# Altium PCB Slave.PcbDoc (part 3 of 10)
Units mm, origin at the board's own origin, x right, y up, seen from the top; angles counter-clockwise.
Board outline 380 x 63 mm, 4 copper layers (Top Copper, Signal Layer 1, Signal Layer 2, Bottom Copper), stack 1.586 mm thick; 259 components, 195 nets, 816 pads, 23336 vias.
Unrouted connection lines stored in the file: 47.
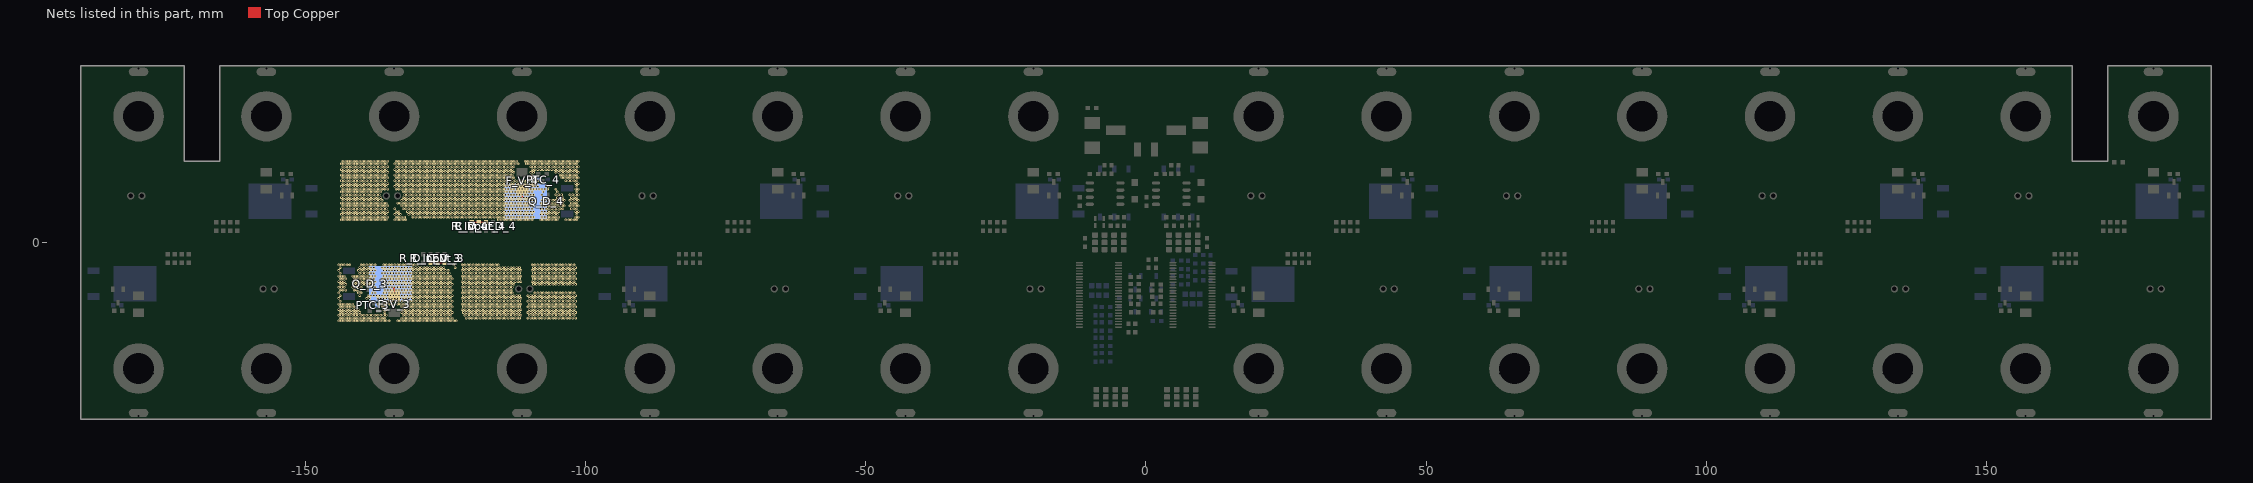
[diagram p5: the nets of this part, all layers, seen from the top]

## Via types
v1: diameter 0.45, hole 0.2, Top Copper to Bottom Copper, tented both sides, 23076 vias
v2: diameter 0.45, hole 0.2, Top Copper to Bottom Copper, 250 vias
v3: diameter 1.2, hole 0.8, Top Copper to Bottom Copper, 10 vias

## Nets (pads, with @x,y where several pads share a name; then routed paths per layer and width w, separated by ;. In a path a pad name is that pad's centre, name@x,y a point inside that pad or via, vN(x,y) a via of type N, cw(c..) or ccw(c..) an arc to the next point about the centre after c; other vN are vias at no path point) (continued)
F_3: C_V_3.2 F_V_3.2 PTC_3.2 Q_D_3.2 R_D_LED_3.2 R_Input_3.1 | length 3.9
  Top Copper w0.254: R_D_LED_3.2@-127.65,-3.6 R_Input_3.1@-126.4,-3.6 C_V_3.2@-125.15,-3.6
  Top Copper w0.305: F_V_3.2@-134.125,-9.48 v1@-134.125,-8.1
  other v1: -144,-14 -143.5,-14 -143,-14 -142.5,-14 -142,-14 -141.5,-14 -141,-14 -140.5,-14 -140,-14 -139.5,-14 -139,-14 -138.5,-14 -138,-14 -137.5,-14 -137,-14 -136.5,-14 -136,-14 -135.5,-14 -135,-14 -133.5,-14 -133,-14 -132.5,-14 -132,-14 -131.5,-14 -131,-14 -130.5,-14 -130,-14 -129.5,-14 -129,-14 -128.5,-14 -128,-14 -127.5,-14 -127,-14 -126.5,-14 -126,-14 -125.5,-14 -125,-14 -124.5,-14 -124,-14 -123.5,-14 -123,-14 -143.75,-13.5 -143.25,-13.5 -142.75,-13.5 -142.25,-13.5 -141.75,-13.5 -141.25,-13.5 -140.75,-13.5 -140.25,-13.5 -139.75,-13.5 -139.25,-13.5 -138.75,-13.5 -138.25,-13.5 -137.75,-13.5 -137.25,-13.5 -136.75,-13.5 -136.25,-13.5 -135.75,-13.5 -132.75,-13.5 -132.25,-13.5 -131.75,-13.5 -131.25,-13.5 -130.75,-13.5 -130.25,-13.5 -129.75,-13.5 -129.25,-13.5 -128.75,-13.5 -128.25,-13.5 -127.75,-13.5 -127.25,-13.5 -126.75,-13.5 -126.25,-13.5 -125.75,-13.5 -125.25,-13.5 -124.75,-13.5 -124.25,-13.5 -123.75,-13.5 -121.25,-13.5 -120.75,-13.5 -120.25,-13.5 -119.75,-13.5 -119.25,-13.5 -118.75,-13.5 -118.25,-13.5 -117.75,-13.5 -117.25,-13.5 -116.75,-13.5 -116.25,-13.5 -115.75,-13.5 -115.25,-13.5 -114.75,-13.5 -114.25,-13.5 -113.75,-13.5 -113.25,-13.5 -112.75,-13.5 -112.25,-13.5 -111.75,-13.5 -110.25,-13.5 -109.75,-13.5 -109.25,-13.5 -108.75,-13.5 -108.25,-13.5 -107.75,-13.5 -107.25,-13.5 -106.75,-13.5 -106.25,-13.5 -105.75,-13.5 -105.25,-13.5 -104.75,-13.5 -104.25,-13.5 -103.75,-13.5 -103.25,-13.5 -102.75,-13.5 -102.25,-13.5 -101.75,-13.5 -144,-13 -143.5,-13 -143,-13 -142.5,-13 -142,-13 -141.5,-13 -141,-13 -140.5,-13 -140,-13 -139.5,-13 -139,-13 -138.5,-13 -138,-13 -137.5,-13 -137,-13 -136.5,-13 -136,-13 -135.5,-13 -132.5,-13 -132,-13 -131.5,-13 -131,-13 -130.5,-13 -130,-13 -129.5,-13 -129,-13 -128.5,-13 -128,-13 -127.5,-13 -127,-13 -126.5,-13 -126,-13 -125.5,-13 -125,-13 -124.5,-13 -124,-13 -121.5,-13 -121,-13 -120.5,-13 -120,-13 -119.5,-13 -119,-13 -118.5,-13 -118,-13 -117.5,-13 -117,-13 -116.5,-13 -116,-13 -115.5,-13 -115,-13 -114.5,-13 -114,-13 -113.5,-13 -113,-13 -112.5,-13 -112,-13 -111.5,-13 -110,-13 -109.5,-13 -109,-13 -108.5,-13 -108,-13 -107.5,-13 -107,-13 -106.5,-13 -106,-13 -105.5,-13 -105,-13 -104.5,-13 -104,-13 -103.5,-13 -103,-13 -102.5,-13 -102,-13 -143.75,-12.5 -143.25,-12.5 -142.75,-12.5 -142.25,-12.5 -141.75,-12.5 -141.25,-12.5 -140.75,-12.5 -140.25,-12.5 -135.75,-12.5 -132.75,-12.5 -132.25,-12.5 -131.75,-12.5 -131.25,-12.5 -130.75,-12.5 -130.25,-12.5 -129.75,-12.5 -129.25,-12.5 -128.75,-12.5 -128.25,-12.5 -127.75,-12.5 -127.25,-12.5 -126.75,-12.5 -126.25,-12.5 -125.75,-12.5 -125.25,-12.5 -124.75,-12.5 -124.25,-12.5 -123.75,-12.5 -121.75,-12.5 -121.25,-12.5 -120.75,-12.5 -120.25,-12.5 -119.75,-12.5 -119.25,-12.5 -118.75,-12.5 -118.25,-12.5 -117.75,-12.5 -117.25,-12.5 -116.75,-12.5 -116.25,-12.5 -115.75,-12.5 -115.25,-12.5 -114.75,-12.5 -114.25,-12.5 -113.75,-12.5 -113.25,-12.5 -112.75,-12.5 -112.25,-12.5 -111.75,-12.5 -110.25,-12.5 -109.75,-12.5 -109.25,-12.5 -108.75,-12.5 -108.25,-12.5 -107.75,-12.5 -107.25,-12.5 -106.75,-12.5 -106.25,-12.5 -105.75,-12.5 -105.25,-12.5 -104.75,-12.5 -104.25,-12.5 -103.75,-12.5 -103.25,-12.5 -102.75,-12.5 -102.25,-12.5 -101.75,-12.5 -144,-12 -143.5,-12 -143,-12 -142.5,-12 -142,-12 -141.5,-12 -141,-12 -140.5,-12 -136,-12 -135.5,-12 -132.5,-12 -132,-12 -131.5,-12 -131,-12 -130.5,-12 -130,-12 -129.5,-12 -129,-12 -128.5,-12 -128,-12 -127.5,-12 -127,-12 -126.5,-12 -126,-12 -125.5,-12 -125,-12 -124.5,-12 -124,-12 -122,-12 -121.5,-12 -121,-12 -120.5,-12 -120,-12 -119.5,-12 -119,-12 -118.5,-12 -118,-12 -117.5,-12 -117,-12 -116.5,-12 -116,-12 -115.5,-12 -115,-12 -114.5,-12 -114,-12 -113.5,-12 -113,-12 -112.5,-12 -112,-12 -111.5,-12 -110,-12 -109.5,-12 -109,-12 -108.5,-12 -108,-12 -107.5,-12 -107,-12 -106.5,-12 -106,-12 -105.5,-12 -105,-12 -104.5,-12 -104,-12 -103.5,-12 -103,-12 -102.5,-12 -102,-12 -143.75,-11.5 -143.25,-11.5 -142.75,-11.5 -142.25,-11.5 -141.75,-11.5 -141.25,-11.5 -136.25,-11.5 -135.75,-11.5 -132.75,-11.5 -132.25,-11.5 -131.75,-11.5 -131.25,-11.5 -130.75,-11.5 -130.25,-11.5 -129.75,-11.5 -129.25,-11.5 -128.75,-11.5 -128.25,-11.5 -127.75,-11.5 -127.25,-11.5 -126.75,-11.5 -126.25,-11.5 -125.75,-11.5 -125.25,-11.5 -124.75,-11.5 -124.25,-11.5 -123.75,-11.5 -121.75,-11.5 -121.25,-11.5 -120.75,-11.5 -120.25,-11.5 -119.75,-11.5 -119.25,-11.5 -118.75,-11.5 -118.25,-11.5 -117.75,-11.5 -117.25,-11.5 -116.75,-11.5 -116.25,-11.5 -115.75,-11.5 -115.25,-11.5 -114.75,-11.5 -114.25,-11.5 -113.75,-11.5 -113.25,-11.5 -112.75,-11.5 -112.25,-11.5 -111.75,-11.5 -110.25,-11.5 -109.75,-11.5 -109.25,-11.5 -108.75,-11.5 -108.25,-11.5 -107.75,-11.5 -107.25,-11.5 -106.75,-11.5 -106.25,-11.5 -105.75,-11.5 -105.25,-11.5 -104.75,-11.5 -104.25,-11.5 -103.75,-11.5 -103.25,-11.5 -102.75,-11.5 -102.25,-11.5 -101.75,-11.5 -144,-11 -143.5,-11 -143,-11 -142.5,-11 -142,-11 -141.5,-11 -137,-11 -136.5,-11 -136,-11 -135.5,-11 -135,-11 -134.5,-11 -134,-11 -133.5,-11 -133,-11 -132.5,-11 -132,-11 -131.5,-11 -131,-11 -130.5,-11 -130,-11 -129.5,-11 -129,-11 -128.5,-11 -128,-11 -127.5,-11 -127,-11 -126.5,-11 -126,-11 -125.5,-11 -125,-11 -124.5,-11 -124,-11 -122,-11 -121.5,-11 -121,-11 -120.5,-11 -120,-11 -119.5,-11 -119,-11 -118.5,-11 -118,-11 -117.5,-11 -117,-11 -116.5,-11 -116,-11 -115.5,-11 -115,-11 -114.5,-11 -114,-11 -113.5,-11 -113,-11 -112.5,-11 -112,-11 -111.5,-11 -110,-11 -109.5,-11 -109,-11 -108.5,-11 -108,-11 -107.5,-11 -107,-11 -106.5,-11 -106,-11 -105.5,-11 -105,-11 -104.5,-11 -104,-11 -103.5,-11 -103,-11 -102.5,-11 -102,-11 -143.75,-10.5 -136.75,-10.5 -136.25,-10.5 -135.75,-10.5 -135.25,-10.5 -134.75,-10.5 -134.25,-10.5 -133.75,-10.5 -133.25,-10.5 -132.75,-10.5 -132.25,-10.5 -131.75,-10.5 -131.25,-10.5 -130.75,-10.5 -130.25,-10.5 -129.75,-10.5 -129.25,-10.5 -128.75,-10.5 -128.25,-10.5 -127.75,-10.5 -127.25,-10.5 -126.75,-10.5 -126.25,-10.5 -125.75,-10.5 -125.25,-10.5 -124.75,-10.5 -124.25,-10.5 -123.75,-10.5 -121.75,-10.5 -121.25,-10.5 -120.75,-10.5 -120.25,-10.5 -119.75,-10.5 -119.25,-10.5 -118.75,-10.5 -118.25,-10.5 -117.75,-10.5 -117.25,-10.5 -116.75,-10.5 -116.25,-10.5 -115.75,-10.5 -115.25,-10.5 -114.75,-10.5 -114.25,-10.5 -113.75,-10.5 -113.25,-10.5 -112.75,-10.5 -112.25,-10.5 -111.75,-10.5 -110.25,-10.5 -109.75,-10.5 -109.25,-10.5 -108.75,-10.5 -108.25,-10.5 -107.75,-10.5 -107.25,-10.5 -106.75,-10.5 -106.25,-10.5 -105.75,-10.5 -105.25,-10.5 -104.75,-10.5 -104.25,-10.5 -103.75,-10.5 -103.25,-10.5 -102.75,-10.5 -102.25,-10.5 -101.75,-10.5 -144,-10 -139,-10 -138.5,-10 -137,-10 -136.5,-10 -136,-10 -135.5,-10 -135,-10 -134.5,-10 -134,-10 -133.5,-10 -133,-10 -132.5,-10 -132,-10 -131.5,-10 -131,-10 -130.5,-10 -130,-10 -129.5,-10 -129,-10 -128.5,-10 -128,-10 -127.5,-10 -127,-10 -126.5,-10 -126,-10 -125.5,-10 -125,-10 -124.5,-10 -124,-10 -122,-10 -121.5,-10 -121,-10 -120.5,-10 -120,-10 -119.5,-10 -119,-10 -118.5,-10 -118,-10 -117.5,-10 -117,-10 -116.5,-10 -116,-10 -115.5,-10 -115,-10 -114.5,-10 -114,-10 -113.5,-10 -113,-10 -112.5,-10 -112,-10 -111.5,-10 -110,-10 -109.5,-10 -109,-10 -108.5,-10 -108,-10 -107.5,-10 -107,-10 -106.5,-10 -106,-10 -105.5,-10 -105,-10 -104.5,-10 -104,-10 -103.5,-10 -103,-10 -102.5,-10 -102,-10 -143.75,-9.5 -140.25,-9.5 -138.75,-9.5 -138.25,-9.5 -137.75,-9.5 -137.25,-9.5 -136.75,-9.5 -136.25,-9.5 -135.75,-9.5 -135.25,-9.5 -134.75,-9.5 -134.25,-9.5 -133.75,-9.5 -133.25,-9.5 -132.75,-9.5 -132.25,-9.5 -131.75,-9.5 -131.25,-9.5 -130.75,-9.5 -130.25,-9.5 -129.75,-9.5 -129.25,-9.5 -128.75,-9.5 -128.25,-9.5 -127.75,-9.5 -127.25,-9.5 -126.75,-9.5 -126.25,-9.5 -125.75,-9.5 -125.25,-9.5 -124.75,-9.5 -124.25,-9.5 -123.75,-9.5 -121.75,-9.5 -121.25,-9.5 -120.75,-9.5 -120.25,-9.5 -119.75,-9.5 -119.25,-9.5 -118.75,-9.5 -118.25,-9.5 -117.75,-9.5 -117.25,-9.5 -116.75,-9.5 -116.25,-9.5 -115.75,-9.5 -115.25,-9.5 -114.75,-9.5 -114.25,-9.5 -113.75,-9.5 -113.25,-9.5 -112.75,-9.5 -112.25,-9.5 -111.75,-9.5 -110.25,-9.5 -109.75,-9.5 -109.25,-9.5 -108.75,-9.5 -108.25,-9.5 -107.75,-9.5 -107.25,-9.5 -106.75,-9.5 -106.25,-9.5 -105.75,-9.5 -105.25,-9.5 -104.75,-9.5 -104.25,-9.5 -103.75,-9.5 -103.25,-9.5 -102.75,-9.5 -102.25,-9.5 -101.75,-9.5 -144,-9 -140.5,-9 -140,-9 -138,-9 -137.5,-9 -136,-9 -135.5,-9 -135,-9 -134.5,-9 -134,-9 -133.5,-9 -133,-9 -132.5,-9 -132,-9 -131.5,-9 -131,-9 -130.5,-9 -130,-9 -129.5,-9 -129,-9 -128.5,-9 -128,-9 -127.5,-9 -127,-9 -126.5,-9 -126,-9 -125.5,-9 -125,-9 -124.5,-9 -124,-9 -122,-9 -121.5,-9 -121,-9 -120.5,-9 -120,-9 -119.5,-9 -119,-9 -118.5,-9 -118,-9 -117.5,-9 -117,-9 -116.5,-9 -116,-9 -115.5,-9 -115,-9 -114.5,-9 -114,-9 -113.5,-9 -113,-9 -109,-9 -108.5,-9 -108,-9 -107.5,-9 -107,-9 -106.5,-9 -106,-9 -105.5,-9 -105,-9 -104.5,-9 -104,-9 -103.5,-9 -103,-9 -102.5,-9 -102,-9 -143.75,-8.5 -143.25,-8.5 -142.75,-8.5 -141.25,-8.5 -140.75,-8.5 -140.25,-8.5 -137.75,-8.5 -135.75,-8.5 -135.25,-8.5 -134.75,-8.5 -134.25,-8.5 -133.75,-8.5 -133.25,-8.5 -132.75,-8.5 -132.25,-8.5 -131.75,-8.5 -131.25,-8.5 -130.75,-8.5 -130.25,-8.5 -129.75,-8.5 -129.25,-8.5 -128.75,-8.5 -128.25,-8.5 -127.75,-8.5 -127.25,-8.5 -126.75,-8.5 -126.25,-8.5 -125.75,-8.5 -125.25,-8.5 -124.75,-8.5 -124.25,-8.5 -123.75,-8.5 -121.75,-8.5 -121.25,-8.5 -120.75,-8.5 -120.25,-8.5 -119.75,-8.5 -119.25,-8.5 -118.75,-8.5 -118.25,-8.5 -117.75,-8.5 -117.25,-8.5 -116.75,-8.5 -116.25,-8.5 -115.75,-8.5 -115.25,-8.5 -114.75,-8.5 -114.25,-8.5 -113.75,-8.5 -113.25,-8.5 -144,-8 -143.5,-8 -143,-8 -141.5,-8 -141,-8 -140.5,-8 -140,-8 -138,-8 -137.5,-8 -136,-8 -135.5,-8 -135,-8 -134.5,-8 -134,-8 -133.5,-8 -133,-8 -132.5,-8 -132,-8 -131.5,-8 -131,-8 -130.5,-8 -130,-8 -129.5,-8 -129,-8 -128.5,-8 -128,-8 -127.5,-8 -127,-8 -126.5,-8 -126,-8 -125.5,-8 -125,-8 -124.5,-8 -124,-8 -122,-8 -121.5,-8 -121,-8 -120.5,-8 -120,-8 -119.5,-8 -119,-8 -118.5,-8 -118,-8 -117.5,-8 -117,-8 -116.5,-8 -116,-8 -115.5,-8 -115,-8 -114.5,-8 -114,-8 -113.5,-8 -113,-8 -143.75,-7.5 -143.25,-7.5 -142.75,-7.5 -141.25,-7.5 -140.75,-7.5 -140.25,-7.5 -139.75,-7.5 -139.25,-7.5 -138.75,-7.5 -138.25,-7.5 -137.75,-7.5 -136.25,-7.5 -135.75,-7.5 -135.25,-7.5 -134.75,-7.5 -134.25,-7.5 -133.75,-7.5 -133.25,-7.5 -132.75,-7.5 -132.25,-7.5 -131.75,-7.5 -131.25,-7.5 -130.75,-7.5 -130.25,-7.5 -129.75,-7.5 -129.25,-7.5 -128.75,-7.5 -128.25,-7.5 -127.75,-7.5 -127.25,-7.5 -126.75,-7.5 -126.25,-7.5 -125.75,-7.5 -125.25,-7.5 -124.75,-7.5 -124.25,-7.5 -123.75,-7.5 -121.75,-7.5 -121.25,-7.5 -120.75,-7.5 -120.25,-7.5 -119.75,-7.5 -119.25,-7.5 -118.75,-7.5 -118.25,-7.5 -117.75,-7.5 -117.25,-7.5 -116.75,-7.5 -116.25,-7.5 -115.75,-7.5 -115.25,-7.5 -114.75,-7.5 -114.25,-7.5 -113.75,-7.5 -113.25,-7.5 -112.75,-7.5 -109.25,-7.5 -108.75,-7.5 -108.25,-7.5 -107.75,-7.5 -107.25,-7.5 -106.75,-7.5 -106.25,-7.5 -105.75,-7.5 -105.25,-7.5 -104.75,-7.5 -104.25,-7.5 -103.75,-7.5 -103.25,-7.5 -102.75,-7.5 -102.25,-7.5 -101.75,-7.5 -144,-7 -143.5,-7 -143,-7 -141.5,-7 -141,-7 -140.5,-7 -140,-7 -139.5,-7 -139,-7 -138.5,-7 -138,-7 -137.5,-7 -136,-7 -135.5,-7 -135,-7 -134.5,-7 -134,-7 -133.5,-7 -133,-7 -132.5,-7 -132,-7 -131.5,-7 -131,-7 -130.5,-7 -130,-7 -129.5,-7 -129,-7 -128.5,-7 -128,-7 -127.5,-7 -127,-7 -126.5,-7 -126,-7 -125.5,-7 -125,-7 -124.5,-7 -124,-7 -122,-7 -121.5,-7 -121,-7 -120.5,-7 -120,-7 -119.5,-7 -119,-7 -118.5,-7 -118,-7 -117.5,-7 -117,-7 -116.5,-7 -116,-7 -115.5,-7 -115,-7 -114.5,-7 -114,-7 -113.5,-7 -113,-7 -112.5,-7 -112,-7 -111.5,-7 -109.5,-7 -109,-7 -108.5,-7 -108,-7 -107.5,-7 -107,-7 -106.5,-7 -106,-7 -105.5,-7 -105,-7 -104.5,-7 -104,-7 -103.5,-7 -103,-7 -102.5,-7 -102,-7 -143.75,-6.5 -143.25,-6.5 -142.75,-6.5 -141.25,-6.5 -140.75,-6.5 -140.25,-6.5 -139.75,-6.5 -139.25,-6.5 -138.75,-6.5 -138.25,-6.5 -137.75,-6.5 -136.25,-6.5 -135.75,-6.5 -135.25,-6.5 -134.75,-6.5 -134.25,-6.5 -133.75,-6.5 -133.25,-6.5 -132.75,-6.5 -132.25,-6.5 -131.75,-6.5 -131.25,-6.5 -130.75,-6.5 -130.25,-6.5 -129.75,-6.5 -129.25,-6.5 -128.75,-6.5 -128.25,-6.5 -127.75,-6.5 -127.25,-6.5 -126.75,-6.5 -126.25,-6.5 -125.75,-6.5 -125.25,-6.5 -124.75,-6.5 -124.25,-6.5 -123.75,-6.5 -121.75,-6.5 -121.25,-6.5 -120.75,-6.5 -120.25,-6.5 -119.75,-6.5 -119.25,-6.5 -118.75,-6.5 -118.25,-6.5 -117.75,-6.5 -117.25,-6.5 -116.75,-6.5 -116.25,-6.5 -115.75,-6.5 -115.25,-6.5 -114.75,-6.5 -114.25,-6.5 -113.75,-6.5 -113.25,-6.5 -112.75,-6.5 -112.25,-6.5 -111.75,-6.5 -109.25,-6.5 -108.75,-6.5 -108.25,-6.5 -107.75,-6.5 -107.25,-6.5 -106.75,-6.5 -106.25,-6.5 -105.75,-6.5 -105.25,-6.5 -104.75,-6.5 -104.25,-6.5 -103.75,-6.5 -103.25,-6.5 -102.75,-6.5 -102.25,-6.5 -101.75,-6.5 -144,-6 -143.5,-6 -143,-6 -141.5,-6 -141,-6 -140.5,-6 -140,-6 -139.5,-6 -139,-6 -138.5,-6 -138,-6 -137.5,-6 -136,-6 -135.5,-6 -135,-6 -134.5,-6 -134,-6 -133.5,-6 -133,-6 -132.5,-6 -132,-6 -131.5,-6 -131,-6 -130.5,-6 -130,-6 -129.5,-6 -129,-6 -128.5,-6 -128,-6 -127.5,-6 -127,-6 -126.5,-6 -126,-6 -125.5,-6 -125,-6 -124.5,-6 -124,-6 -122,-6 -121.5,-6 -121,-6 -120.5,-6 -120,-6 -119.5,-6 -119,-6 -118.5,-6 -118,-6 -117.5,-6 -117,-6 -116.5,-6 -116,-6 -115.5,-6 -115,-6 -114.5,-6 -114,-6 -113.5,-6 -113,-6 -112.5,-6 -112,-6 -111.5,-6 -109.5,-6 -109,-6 -108.5,-6 -108,-6 -107.5,-6 -107,-6 -106.5,-6 -106,-6 -105.5,-6 -105,-6 -104.5,-6 -104,-6 -103.5,-6 -103,-6 -102.5,-6 -102,-6 -143.75,-5.5 -140.25,-5.5 -139.75,-5.5 -139.25,-5.5 -138.75,-5.5 -138.25,-5.5 -137.75,-5.5 -136.25,-5.5 -135.75,-5.5 -135.25,-5.5 -134.75,-5.5 -134.25,-5.5 -133.75,-5.5 -133.25,-5.5 -132.75,-5.5 -132.25,-5.5 -131.75,-5.5 -131.25,-5.5 -130.75,-5.5 -130.25,-5.5 -129.75,-5.5 -129.25,-5.5 -128.75,-5.5 -128.25,-5.5 -127.75,-5.5 -127.25,-5.5 -126.75,-5.5 -126.25,-5.5 -125.75,-5.5 -125.25,-5.5 -124.75,-5.5 -124.25,-5.5 -121.75,-5.5 -121.25,-5.5 -120.75,-5.5 -120.25,-5.5 -119.75,-5.5 -119.25,-5.5 -118.75,-5.5 -118.25,-5.5 -117.75,-5.5 -117.25,-5.5 -116.75,-5.5 -116.25,-5.5 -115.75,-5.5 -115.25,-5.5 -114.75,-5.5 -114.25,-5.5 -113.75,-5.5 -113.25,-5.5 -112.75,-5.5 -112.25,-5.5 -111.75,-5.5 -109.25,-5.5 -108.75,-5.5 -108.25,-5.5 -107.75,-5.5 -107.25,-5.5 -106.75,-5.5 -106.25,-5.5 -105.75,-5.5 -105.25,-5.5 -104.75,-5.5 -104.25,-5.5 -103.75,-5.5 -103.25,-5.5 -102.75,-5.5 -102.25,-5.5 -101.75,-5.5 -144,-5 -140.5,-5 -140,-5 -139.5,-5 -139,-5 -138.5,-5 -138,-5 -137.5,-5 -136,-5 -135.5,-5 -135,-5 -134.5,-5 -134,-5 -133.5,-5 -133,-5 -132.5,-5 -132,-5 -131.5,-5 -131,-5 -130.5,-5 -130,-5 -129.5,-5 -129,-5 -128.5,-5 -128,-5 -127.5,-5 -127,-5 -126.5,-5 -126,-5 -125.5,-5 -125,-5 -124.5,-5 -122,-5 -121.5,-5 -121,-5 -120.5,-5 -120,-5 -119.5,-5 -119,-5 -118.5,-5 -118,-5 -117.5,-5 -117,-5 -116.5,-5 -116,-5 -115.5,-5 -115,-5 -114.5,-5 -114,-5 -113.5,-5 -113,-5 -112.5,-5 -112,-5 -111.5,-5 -109.5,-5 -109,-5 -108.5,-5 -108,-5 -107.5,-5 -107,-5 -106.5,-5 -106,-5 -105.5,-5 -105,-5 -104.5,-5 -104,-5 -103.5,-5 -103,-5 -102.5,-5 -102,-5 -143.75,-4.5 -140.25,-4.5 -139.75,-4.5 -139.25,-4.5 -138.75,-4.5 -138.25,-4.5 -137.75,-4.5 -136.25,-4.5 -135.75,-4.5 -135.25,-4.5 -134.75,-4.5 -134.25,-4.5 -133.75,-4.5 -133.25,-4.5 -132.75,-4.5 -132.25,-4.5 -131.75,-4.5 -131.25,-4.5 -130.75,-4.5 -130.25,-4.5 -129.75,-4.5 -129.25,-4.5 -128.75,-4.5 -128.25,-4.5 -127.75,-4.5 -127.25,-4.5 -126.75,-4.5 -126.25,-4.5 -125.75,-4.5 -125.25,-4.5 -123.25,-4.5 -121.75,-4.5 -121.25,-4.5 -120.75,-4.5 -120.25,-4.5 -119.75,-4.5 -119.25,-4.5 -118.75,-4.5 -118.25,-4.5 -117.75,-4.5 -117.25,-4.5 -116.75,-4.5 -116.25,-4.5 -115.75,-4.5 -115.25,-4.5 -114.75,-4.5 -114.25,-4.5 -113.75,-4.5 -113.25,-4.5 -112.75,-4.5 -112.25,-4.5 -111.75,-4.5 -109.25,-4.5 -108.75,-4.5 -108.25,-4.5 -107.75,-4.5 -107.25,-4.5 -106.75,-4.5 -106.25,-4.5 -105.75,-4.5 -105.25,-4.5 -104.75,-4.5 -104.25,-4.5 -103.75,-4.5 -103.25,-4.5 -102.75,-4.5 -102.25,-4.5 -101.75,-4.5 -144,-4 -143.5,-4 -143,-4 -142.5,-4 -142,-4 -140,-4 -139.5,-4 -139,-4 -138.5,-4 -138,-4 -137.5,-4 -136,-4 -135.5,-4 -135,-4 -134.5,-4 -134,-4 -133.5,-4 -133,-4 -132.5,-4 -132,-4 -131.5,-4 -131,-4 -130.5,-4 -130,-4 -123.5,-4 -122,-4 -121.5,-4 -121,-4 -120.5,-4 -120,-4 -119.5,-4 -119,-4 -118.5,-4 -118,-4 -117.5,-4 -117,-4 -116.5,-4 -116,-4 -115.5,-4 -109.5,-4 -109,-4 -108.5,-4 -108,-4 -107.5,-4 -107,-4 -106.5,-4 -106,-4 -105.5,-4 -105,-4 -104.5,-4 -104,-4 -103.5,-4 -103,-4 -102.5,-4 -102,-4
F_4: C_V_4.2 F_V_4.2 PTC_4.2 Q_D_4.2 R_D_LED_4.2 R_Input_4.1 | length 3.9
  Top Copper w0.254: C_V_4.2@-120.25,3.6 R_Input_4.1@-119,3.6 R_D_LED_4.2@-117.75,3.6
  Top Copper w0.305: -111.275,8.1 F_V_4.2@-111.275,9.48
  other v1: -143.5,4 -143,4 -142.5,4 -142,4 -141.5,4 -141,4 -140.5,4 -140,4 -139.5,4 -139,4 -138.5,4 -138,4 -137.5,4 -137,4 -136.5,4 -136,4 -135.5,4 -134,4 -133.5,4 -133,4 -132.5,4 -132,4 -115.5,4 -115,4 -114.5,4 -114,4 -113.5,4 -113,4 -112.5,4 -112,4 -111.5,4 -111,4 -110.5,4 -110,4 -109.5,4 -108,4 -107.5,4 -107,4 -106.5,4 -106,4 -105.5,4 -105,4 -103.5,4 -103,4 -102.5,4 -102,4 -101.5,4 -143.25,4.5 -142.75,4.5 -142.25,4.5 -141.75,4.5 -141.25,4.5 -140.75,4.5 -140.25,4.5 -139.75,4.5 -139.25,4.5 -138.75,4.5 -138.25,4.5 -137.75,4.5 -137.25,4.5 -136.75,4.5 -136.25,4.5 -135.75,4.5 -135.25,4.5 -133.75,4.5 -133.25,4.5 -132.75,4.5 -132.25,4.5 -130.75,4.5 -130.25,4.5 -129.75,4.5 -129.25,4.5 -128.75,4.5 -128.25,4.5 -127.75,4.5 -127.25,4.5 -126.75,4.5 -126.25,4.5 -125.75,4.5 -125.25,4.5 -124.75,4.5 -124.25,4.5 -123.75,4.5 -123.25,4.5 -122.75,4.5 -122.25,4.5 -121.75,4.5 -121.25,4.5 -120.75,4.5 -120.25,4.5 -119.75,4.5 -119.25,4.5 -118.75,4.5 -118.25,4.5 -117.75,4.5 -117.25,4.5 -116.75,4.5 -116.25,4.5 -115.75,4.5 -115.25,4.5 -114.75,4.5 -114.25,4.5 -113.75,4.5 -113.25,4.5 -112.75,4.5 -112.25,4.5 -111.75,4.5 -111.25,4.5 -110.75,4.5 -110.25,4.5 -109.75,4.5 -109.25,4.5 -107.75,4.5 -107.25,4.5 -106.75,4.5 -106.25,4.5 -105.75,4.5 -105.25,4.5 -104.75,4.5 -101.75,4.5 -101.25,4.5 -143.5,5 -143,5 -142.5,5 -142,5 -141.5,5 -141,5 -140.5,5 -140,5 -139.5,5 -139,5 -138.5,5 -138,5 -137.5,5 -137,5 -136.5,5 -136,5 -135.5,5 -134,5 -133.5,5 -133,5 -131.5,5 -131,5 -130.5,5 -130,5 -129.5,5 -129,5 -128.5,5 -128,5 -127.5,5 -127,5 -126.5,5 -126,5 -125.5,5 -125,5 -124.5,5 -124,5 -123.5,5 -123,5 -122.5,5 -122,5 -121.5,5 -121,5 -120.5,5 -120,5 -119.5,5 -119,5 -118.5,5 -118,5 -117.5,5 -117,5 -116.5,5 -116,5 -115.5,5 -115,5 -114.5,5 -114,5 -113.5,5 -113,5 -112.5,5 -112,5 -111.5,5 -111,5 -110.5,5 -110,5 -109.5,5 -108,5 -107.5,5 -107,5 -106.5,5 -106,5 -105.5,5 -105,5 -101.5,5 -143.25,5.5 -142.75,5.5 -142.25,5.5 -141.75,5.5 -141.25,5.5 -140.75,5.5 -140.25,5.5 -139.75,5.5 -139.25,5.5 -138.75,5.5 -138.25,5.5 -137.75,5.5 -137.25,5.5 -136.75,5.5 -136.25,5.5 -135.75,5.5 -135.25,5.5 -133.75,5.5 -133.25,5.5 -131.75,5.5 -131.25,5.5 -130.75,5.5 -130.25,5.5 -129.75,5.5 -129.25,5.5 -128.75,5.5 -128.25,5.5 -127.75,5.5 -127.25,5.5 -126.75,5.5 -126.25,5.5 -125.75,5.5 -125.25,5.5 -124.75,5.5 -124.25,5.5 -123.75,5.5 -123.25,5.5 -122.75,5.5 -122.25,5.5 -121.75,5.5 -121.25,5.5 -120.75,5.5 -120.25,5.5 -119.75,5.5 -119.25,5.5 -118.75,5.5 -118.25,5.5 -117.75,5.5 -117.25,5.5 -116.75,5.5 -116.25,5.5 -115.75,5.5 -115.25,5.5 -114.75,5.5 -114.25,5.5 -113.75,5.5 -113.25,5.5 -112.75,5.5 -112.25,5.5 -111.75,5.5 -111.25,5.5 -110.75,5.5 -110.25,5.5 -109.75,5.5 -109.25,5.5 -107.75,5.5 -107.25,5.5 -106.75,5.5 -106.25,5.5 -105.75,5.5 -105.25,5.5 -104.75,5.5 -101.75,5.5 -101.25,5.5 -143.5,6 -143,6 -142.5,6 -142,6 -141.5,6 -141,6 -140.5,6 -140,6 -139.5,6 -139,6 -138.5,6 -138,6 -137.5,6 -137,6 -136.5,6 -136,6 -135.5,6 -134,6 -132.5,6 -132,6 -131.5,6 -131,6 -130.5,6 -130,6 -129.5,6 -129,6 -128.5,6 -128,6 -127.5,6 -127,6 -126.5,6 -126,6 -125.5,6 -125,6 -124.5,6 -124,6 -123.5,6 -123,6 -122.5,6 -122,6 -121.5,6 -121,6 -120.5,6 -120,6 -119.5,6 -119,6 -118.5,6 -118,6 -117.5,6 -117,6 -116.5,6 -116,6 -115.5,6 -115,6 -114.5,6 -114,6 -113.5,6 -113,6 -112.5,6 -112,6 -111.5,6 -111,6 -110.5,6 -110,6 -109.5,6 -108,6 -107.5,6 -107,6 -106.5,6 -106,6 -105.5,6 -105,6 -104.5,6 -104,6 -102.5,6 -102,6 -101.5,6 -143.25,6.5 -142.75,6.5 -142.25,6.5 -141.75,6.5 -141.25,6.5 -140.75,6.5 -140.25,6.5 -139.75,6.5 -139.25,6.5 -138.75,6.5 -138.25,6.5 -137.75,6.5 -137.25,6.5 -136.75,6.5 -136.25,6.5 -135.75,6.5 -135.25,6.5 -132.75,6.5 -132.25,6.5 -131.75,6.5 -131.25,6.5 -130.75,6.5 -130.25,6.5 -129.75,6.5 -129.25,6.5 -128.75,6.5 -128.25,6.5 -127.75,6.5 -127.25,6.5 -126.75,6.5 -126.25,6.5 -125.75,6.5 -125.25,6.5 -124.75,6.5 -124.25,6.5 -123.75,6.5 -123.25,6.5 -122.75,6.5 -122.25,6.5 -121.75,6.5 -121.25,6.5 -120.75,6.5 -120.25,6.5 -119.75,6.5 -119.25,6.5 -118.75,6.5 -118.25,6.5 -117.75,6.5 -117.25,6.5 -116.75,6.5 -116.25,6.5 -115.75,6.5 -115.25,6.5 -114.75,6.5 -114.25,6.5 -113.75,6.5 -113.25,6.5 -112.75,6.5 -112.25,6.5 -111.75,6.5 -111.25,6.5 -110.75,6.5 -110.25,6.5 -109.75,6.5 -109.25,6.5 -107.75,6.5 -107.25,6.5 -106.75,6.5 -106.25,6.5 -105.75,6.5 -105.25,6.5 -104.75,6.5 -104.25,6.5 -103.75,6.5 -102.75,6.5 -102.25,6.5 -101.75,6.5 -101.25,6.5 -143.5,7 -143,7 -142.5,7 -142,7 -141.5,7 -141,7 -140.5,7 -140,7 -139.5,7 -139,7 -138.5,7 -138,7 -137.5,7 -137,7 -136.5,7 -136,7 -135.5,7 -133.5,7 -133,7 -132.5,7 -132,7 -131.5,7 -131,7 -130.5,7 -130,7 -129.5,7 -129,7 -128.5,7 -128,7 -127.5,7 -127,7 -126.5,7 -126,7 -125.5,7 -125,7 -124.5,7 -124,7 -123.5,7 -123,7 -122.5,7 -122,7 -121.5,7 -121,7 -120.5,7 -120,7 -119.5,7 -119,7 -118.5,7 -118,7 -117.5,7 -117,7 -116.5,7 -116,7 -115.5,7 -115,7 -114.5,7 -114,7 -113.5,7 -113,7 -112.5,7 -112,7 -111.5,7 -111,7 -110.5,7 -110,7 -109.5,7 -108,7 -107.5,7 -107,7 -106.5,7 -106,7 -105.5,7 -105,7 -104.5,7 -104,7 -102.5,7 -102,7 -101.5,7 -143.25,7.5 -142.75,7.5 -142.25,7.5 -141.75,7.5 -141.25,7.5 -140.75,7.5 -140.25,7.5 -139.75,7.5 -139.25,7.5 -138.75,7.5 -138.25,7.5 -137.75,7.5 -137.25,7.5 -136.75,7.5 -136.25,7.5 -132.75,7.5 -132.25,7.5 -131.75,7.5 -131.25,7.5 -130.75,7.5 -130.25,7.5 -129.75,7.5 -129.25,7.5 -128.75,7.5 -128.25,7.5 -127.75,7.5 -127.25,7.5 -126.75,7.5 -126.25,7.5 -125.75,7.5 -125.25,7.5 -124.75,7.5 -124.25,7.5 -123.75,7.5 -123.25,7.5 -122.75,7.5 -122.25,7.5 -121.75,7.5 -121.25,7.5 -120.75,7.5 -120.25,7.5 -119.75,7.5 -119.25,7.5 -118.75,7.5 -118.25,7.5 -117.75,7.5 -117.25,7.5 -116.75,7.5 -116.25,7.5 -115.75,7.5 -115.25,7.5 -114.75,7.5 -114.25,7.5 -113.75,7.5 -113.25,7.5 -112.75,7.5 -112.25,7.5 -111.75,7.5 -111.25,7.5 -110.75,7.5 -110.25,7.5 -109.75,7.5 -109.25,7.5 -107.75,7.5 -107.25,7.5 -106.75,7.5 -106.25,7.5 -105.75,7.5 -105.25,7.5 -104.75,7.5 -104.25,7.5 -103.75,7.5 -102.75,7.5 -102.25,7.5 -101.75,7.5 -101.25,7.5 -143.5,8 -143,8 -142.5,8 -142,8 -141.5,8 -141,8 -140.5,8 -140,8 -139.5,8 -139,8 -138.5,8 -138,8 -137.5,8 -137,8 -136.5,8 -132.5,8 -132,8 -131.5,8 -131,8 -130.5,8 -130,8 -129.5,8 -129,8 -128.5,8 -128,8 -127.5,8 -127,8 -126.5,8 -126,8 -125.5,8 -125,8 -124.5,8 -124,8 -123.5,8 -123,8 -122.5,8 -122,8 -121.5,8 -121,8 -120.5,8 -120,8 -119.5,8 -119,8 -118.5,8 -118,8 -117.5,8 -117,8 -116.5,8 -116,8 -115.5,8 -115,8 -114.5,8 -114,8 -113.5,8 -113,8 -112.5,8 -112,8 -111.5,8 -111,8 -110.5,8 -110,8 -109.5,8 -107.5,8 -105,8 -104.5,8 -104,8 -102.5,8 -102,8 -101.5,8 -143.25,8.5 -142.75,8.5 -142.25,8.5 -141.75,8.5 -141.25,8.5 -140.75,8.5 -140.25,8.5 -139.75,8.5 -139.25,8.5 -138.75,8.5 -138.25,8.5 -137.75,8.5 -137.25,8.5 -136.75,8.5 -132.25,8.5 -131.75,8.5 -131.25,8.5 -130.75,8.5 -130.25,8.5 -129.75,8.5 -129.25,8.5 -128.75,8.5 -128.25,8.5 -127.75,8.5 -127.25,8.5 -126.75,8.5 -126.25,8.5 -125.75,8.5 -125.25,8.5 -124.75,8.5 -124.25,8.5 -123.75,8.5 -123.25,8.5 -122.75,8.5 -122.25,8.5 -121.75,8.5 -121.25,8.5 -120.75,8.5 -120.25,8.5 -119.75,8.5 -119.25,8.5 -118.75,8.5 -118.25,8.5 -117.75,8.5 -117.25,8.5 -116.75,8.5 -116.25,8.5 -115.75,8.5 -115.25,8.5 -114.75,8.5 -114.25,8.5 -113.75,8.5 -113.25,8.5 -112.75,8.5 -112.25,8.5 -111.75,8.5 -111.25,8.5 -110.75,8.5 -110.25,8.5 -109.75,8.5 -109.25,8.5 -107.75,8.5 -105.25,8.5 -104.75,8.5 -104.25,8.5 -102.75,8.5 -102.25,8.5 -101.75,8.5 -101.25,8.5 -143.5,9 -143,9 -142.5,9 -142,9 -141.5,9 -141,9 -140.5,9 -140,9 -139.5,9 -139,9 -138.5,9 -138,9 -137.5,9 -137,9 -136.5,9 -132.5,9 -132,9 -131.5,9 -131,9 -130.5,9 -130,9 -129.5,9 -129,9 -128.5,9 -128,9 -127.5,9 -127,9 -126.5,9 -126,9 -125.5,9 -125,9 -124.5,9 -124,9 -123.5,9 -123,9 -122.5,9 -122,9 -121.5,9 -121,9 -120.5,9 -120,9 -119.5,9 -119,9 -118.5,9 -118,9 -117.5,9 -117,9 -116.5,9 -116,9 -115.5,9 -115,9 -114.5,9 -114,9 -113.5,9 -113,9 -112.5,9 -112,9 -111.5,9 -111,9 -110.5,9 -110,9 -109.5,9 -107.5,9 -105,9 -101.5,9 -143.25,9.5 -142.75,9.5 -142.25,9.5 -141.75,9.5 -141.25,9.5 -140.75,9.5 -140.25,9.5 -139.75,9.5 -139.25,9.5 -138.75,9.5 -138.25,9.5 -137.75,9.5 -137.25,9.5 -136.75,9.5 -136.25,9.5 -135.75,9.5 -135.25,9.5 -133.75,9.5 -133.25,9.5 -132.75,9.5 -132.25,9.5 -131.75,9.5 -131.25,9.5 -130.75,9.5 -130.25,9.5 -129.75,9.5 -129.25,9.5 -128.75,9.5 -128.25,9.5 -127.75,9.5 -127.25,9.5 -126.75,9.5 -126.25,9.5 -125.75,9.5 -125.25,9.5 -124.75,9.5 -124.25,9.5 -123.75,9.5 -123.25,9.5 -122.75,9.5 -122.25,9.5 -121.75,9.5 -121.25,9.5 -120.75,9.5 -120.25,9.5 -119.75,9.5 -119.25,9.5 -118.75,9.5 -118.25,9.5 -117.75,9.5 -117.25,9.5 -116.75,9.5 -116.25,9.5 -115.75,9.5 -115.25,9.5 -114.75,9.5 -114.25,9.5 -113.75,9.5 -113.25,9.5 -112.75,9.5 -112.25,9.5 -111.75,9.5 -111.25,9.5 -110.75,9.5 -110.25,9.5 -109.75,9.5 -109.25,9.5 -108.75,9.5 -108.25,9.5 -107.75,9.5 -107.25,9.5 -106.75,9.5 -105.25,9.5 -101.75,9.5 -101.25,9.5 -143.5,10 -143,10 -142.5,10 -142,10 -141.5,10 -141,10 -140.5,10 -140,10 -139.5,10 -139,10 -138.5,10 -138,10 -137.5,10 -137,10 -136.5,10 -136,10 -135.5,10 -134,10 -133.5,10 -133,10 -132.5,10 -132,10 -131.5,10 -131,10 -130.5,10 -130,10 -129.5,10 -129,10 -128.5,10 -128,10 -127.5,10 -127,10 -126.5,10 -126,10 -125.5,10 -125,10 -124.5,10 -124,10 -123.5,10 -123,10 -122.5,10 -122,10 -121.5,10 -121,10 -120.5,10 -120,10 -119.5,10 -119,10 -118.5,10 -118,10 -117.5,10 -117,10 -116.5,10 -116,10 -115.5,10 -115,10 -114.5,10 -114,10 -113.5,10 -113,10 -112.5,10 -112,10 -111.5,10 -111,10 -110.5,10 -110,10 -109.5,10 -109,10 -108.5,10 -107,10 -106.5,10 -101.5,10 -143.25,10.5 -142.75,10.5 -142.25,10.5 -141.75,10.5 -141.25,10.5 -140.75,10.5 -140.25,10.5 -139.75,10.5 -139.25,10.5 -138.75,10.5 -138.25,10.5 -137.75,10.5 -137.25,10.5 -136.75,10.5 -136.25,10.5 -135.75,10.5 -135.25,10.5 -133.75,10.5 -133.25,10.5 -132.75,10.5 -132.25,10.5 -131.75,10.5 -131.25,10.5 -130.75,10.5 -130.25,10.5 -129.75,10.5 -129.25,10.5 -128.75,10.5 -128.25,10.5 -127.75,10.5 -127.25,10.5 -126.75,10.5 -126.25,10.5 -125.75,10.5 -125.25,10.5 -124.75,10.5 -124.25,10.5 -123.75,10.5 -123.25,10.5 -122.75,10.5 -122.25,10.5 -121.75,10.5 -121.25,10.5 -120.75,10.5 -120.25,10.5 -119.75,10.5 -119.25,10.5 -118.75,10.5 -118.25,10.5 -117.75,10.5 -117.25,10.5 -116.75,10.5 -116.25,10.5 -115.75,10.5 -115.25,10.5 -114.75,10.5 -114.25,10.5 -113.75,10.5 -113.25,10.5 -112.75,10.5 -112.25,10.5 -111.75,10.5 -111.25,10.5 -110.75,10.5 -110.25,10.5 -109.75,10.5 -109.25,10.5 -108.75,10.5 -101.75,10.5 -101.25,10.5 -143.5,11 -143,11 -142.5,11 -142,11 -141.5,11 -141,11 -140.5,11 -140,11 -139.5,11 -139,11 -138.5,11 -138,11 -137.5,11 -137,11 -136.5,11 -136,11 -135.5,11 -134,11 -133.5,11 -133,11 -132.5,11 -132,11 -131.5,11 -131,11 -130.5,11 -130,11 -129.5,11 -129,11 -128.5,11 -128,11 -127.5,11 -127,11 -126.5,11 -126,11 -125.5,11 -125,11 -124.5,11 -124,11 -123.5,11 -123,11 -122.5,11 -122,11 -121.5,11 -121,11 -120.5,11 -120,11 -119.5,11 -119,11 -118.5,11 -118,11 -117.5,11 -117,11 -116.5,11 -116,11 -115.5,11 -115,11 -114.5,11 -114,11 -113.5,11 -113,11 -112.5,11 -112,11 -111.5,11 -111,11 -110.5,11 -110,11 -109.5,11 -109,11 -108.5,11 -103.5,11 -103,11 -102.5,11 -102,11 -101.5,11 -143.25,11.5 -142.75,11.5 -142.25,11.5 -141.75,11.5 -141.25,11.5 -140.75,11.5 -140.25,11.5 -139.75,11.5 -139.25,11.5 -138.75,11.5 -138.25,11.5 -137.75,11.5 -137.25,11.5 -136.75,11.5 -136.25,11.5 -135.75,11.5 -135.25,11.5 -133.75,11.5 -133.25,11.5 -132.75,11.5 -132.25,11.5 -131.75,11.5 -131.25,11.5 -130.75,11.5 -130.25,11.5 -129.75,11.5 -129.25,11.5 -128.75,11.5 -128.25,11.5 -127.75,11.5 -127.25,11.5 -126.75,11.5 -126.25,11.5 -125.75,11.5 -125.25,11.5 -124.75,11.5 -124.25,11.5 -123.75,11.5 -123.25,11.5 -122.75,11.5 -122.25,11.5 -121.75,11.5 -121.25,11.5 -120.75,11.5 -120.25,11.5 -119.75,11.5 -119.25,11.5 -118.75,11.5 -118.25,11.5 -117.75,11.5 -117.25,11.5 -116.75,11.5 -116.25,11.5 -115.75,11.5 -115.25,11.5 -114.75,11.5 -114.25,11.5 -113.75,11.5 -113.25,11.5 -112.75,11.5 -109.75,11.5 -109.25,11.5 -104.25,11.5 -103.75,11.5 -103.25,11.5 -102.75,11.5 -102.25,11.5 -101.75,11.5 -101.25,11.5 -143.5,12 -143,12 -142.5,12 -142,12 -141.5,12 -141,12 -140.5,12 -140,12 -139.5,12 -139,12 -138.5,12 -138,12 -137.5,12 -137,12 -136.5,12 -136,12 -135.5,12 -134,12 -133.5,12 -133,12 -132.5,12 -132,12 -131.5,12 -131,12 -130.5,12 -130,12 -129.5,12 -129,12 -128.5,12 -128,12 -127.5,12 -127,12 -126.5,12 -126,12 -125.5,12 -125,12 -124.5,12 -124,12 -123.5,12 -123,12 -122.5,12 -122,12 -121.5,12 -121,12 -120.5,12 -120,12 -119.5,12 -119,12 -118.5,12 -118,12 -117.5,12 -117,12 -116.5,12 -116,12 -115.5,12 -115,12 -114.5,12 -114,12 -113.5,12 -113,12 -109.5,12 -104.5,12 -104,12 -103.5,12 -103,12 -102.5,12 -102,12 -101.5,12 -143.25,12.5 -142.75,12.5 -142.25,12.5 -141.75,12.5 -141.25,12.5 -140.75,12.5 -140.25,12.5 -139.75,12.5 -139.25,12.5 -138.75,12.5 -138.25,12.5 -137.75,12.5 -137.25,12.5 -136.75,12.5 -136.25,12.5 -135.75,12.5 -135.25,12.5 -133.75,12.5 -133.25,12.5 -132.75,12.5 -132.25,12.5 -131.75,12.5 -131.25,12.5 -130.75,12.5 -130.25,12.5 -129.75,12.5 -129.25,12.5 -128.75,12.5 -128.25,12.5 -127.75,12.5 -127.25,12.5 -126.75,12.5 -126.25,12.5 -125.75,12.5 -125.25,12.5 -124.75,12.5 -124.25,12.5 -123.75,12.5 -123.25,12.5 -122.75,12.5 -122.25,12.5 -121.75,12.5 -121.25,12.5 -120.75,12.5 -120.25,12.5 -119.75,12.5 -119.25,12.5 -118.75,12.5 -118.25,12.5 -117.75,12.5 -117.25,12.5 -116.75,12.5 -116.25,12.5 -115.75,12.5 -115.25,12.5 -114.75,12.5 -114.25,12.5 -113.75,12.5 -113.25,12.5 -112.75,12.5 -109.75,12.5 -109.25,12.5 -105.25,12.5 -104.75,12.5 -104.25,12.5 -103.75,12.5 -103.25,12.5 -102.75,12.5 -102.25,12.5 -101.75,12.5 -101.25,12.5 -143.5,13 -143,13 -142.5,13 -142,13 -141.5,13 -141,13 -140.5,13 -140,13 -139.5,13 -139,13 -138.5,13 -138,13 -137.5,13 -137,13 -136.5,13 -136,13 -135.5,13 -134,13 -133.5,13 -133,13 -132.5,13 -132,13 -131.5,13 -131,13 -130.5,13 -130,13 -129.5,13 -129,13 -128.5,13 -128,13 -127.5,13 -127,13 -126.5,13 -126,13 -125.5,13 -125,13 -124.5,13 -124,13 -123.5,13 -123,13 -122.5,13 -122,13 -121.5,13 -121,13 -120.5,13 -120,13 -119.5,13 -119,13 -118.5,13 -118,13 -117.5,13 -117,13 -116.5,13 -116,13 -115.5,13 -115,13 -114.5,13 -114,13 -113.5,13 -113,13 -109.5,13 -109,13 -108.5,13 -108,13 -107.5,13 -107,13 -106.5,13 -106,13 -105.5,13 -105,13 -104.5,13 -104,13 -103.5,13 -103,13 -102.5,13 -102,13 -101.5,13 -143.25,13.5 -142.75,13.5 -142.25,13.5 -141.75,13.5 -141.25,13.5 -140.75,13.5 -140.25,13.5 -139.75,13.5 -139.25,13.5 -138.75,13.5 -138.25,13.5 -137.75,13.5 -137.25,13.5 -136.75,13.5 -136.25,13.5 -135.75,13.5 -135.25,13.5 -133.75,13.5 -133.25,13.5 -132.75,13.5 -132.25,13.5 -131.75,13.5 -131.25,13.5 -130.75,13.5 -130.25,13.5 -129.75,13.5 -129.25,13.5 -128.75,13.5 -128.25,13.5 -127.75,13.5 -127.25,13.5 -126.75,13.5 -126.25,13.5 -125.75,13.5 -125.25,13.5 -124.75,13.5 -124.25,13.5 -123.75,13.5 -123.25,13.5 -122.75,13.5 -122.25,13.5 -121.75,13.5 -121.25,13.5 -120.75,13.5 -120.25,13.5 -119.75,13.5 -119.25,13.5 -118.75,13.5 -118.25,13.5 -117.75,13.5 -117.25,13.5 -116.75,13.5 -116.25,13.5 -115.75,13.5 -115.25,13.5 -114.75,13.5 -114.25,13.5 -113.75,13.5 -113.25,13.5 -112.75,13.5 -109.75,13.5 -109.25,13.5 -108.75,13.5 -108.25,13.5 -107.75,13.5 -107.25,13.5 -106.75,13.5 -106.25,13.5 -105.75,13.5 -105.25,13.5 -104.75,13.5 -104.25,13.5 -103.75,13.5 -103.25,13.5 -102.75,13.5 -102.25,13.5 -101.75,13.5 -101.25,13.5 -143.5,14 -143,14 -142.5,14 -142,14 -141.5,14 -141,14 -140.5,14 -140,14 -139.5,14 -139,14 -138.5,14 -138,14 -137.5,14 -137,14 -136.5,14 -136,14 -135.5,14 -134,14 -133.5,14 -133,14 -132.5,14 -132,14 -131.5,14 -131,14 -130.5,14 -130,14 -129.5,14 -129,14 -128.5,14 -128,14 -127.5,14 -127,14 -126.5,14 -126,14 -125.5,14 -125,14 -124.5,14 -124,14 -123.5,14 -123,14 -122.5,14 -122,14 -121.5,14 -121,14 -120.5,14 -120,14 -119.5,14 -119,14 -118.5,14 -118,14 -117.5,14 -117,14 -116.5,14 -116,14 -115.5,14 -115,14 -114.5,14 -114,14 -113.5,14 -113,14 -112.5,14 -112,14 -110.5,14 -110,14 -109.5,14 -109,14 -108.5,14 -108,14 -107.5,14 -107,14 -106.5,14 -106,14 -105.5,14 -105,14 -104.5,14 -104,14 -103.5,14 -103,14 -102.5,14 -102,14 -101.5,14 -143.25,14.5 -142.75,14.5 -142.25,14.5 -141.75,14.5 -141.25,14.5 -140.75,14.5 -140.25,14.5 -139.75,14.5 -139.25,14.5 -138.75,14.5 -138.25,14.5 -137.75,14.5 -137.25,14.5 -136.75,14.5 -136.25,14.5 -135.75,14.5 -135.25,14.5 -133.75,14.5 -133.25,14.5 -132.75,14.5 -132.25,14.5 -131.75,14.5 -131.25,14.5 -130.75,14.5 -130.25,14.5 -129.75,14.5 -129.25,14.5 -128.75,14.5 -128.25,14.5 -127.75,14.5 -127.25,14.5 -126.75,14.5 -126.25,14.5 -125.75,14.5 -125.25,14.5 -124.75,14.5 -124.25,14.5 -123.75,14.5 -123.25,14.5 -122.75,14.5 -122.25,14.5 -121.75,14.5 -121.25,14.5 -120.75,14.5 -120.25,14.5 -119.75,14.5 -119.25,14.5 -118.75,14.5 -118.25,14.5 -117.75,14.5 -117.25,14.5 -116.75,14.5 -116.25,14.5 -115.75,14.5 -115.25,14.5 -114.75,14.5 -114.25,14.5 -113.75,14.5 -113.25,14.5 -112.75,14.5 -112.25,14.5 -110.75,14.5 -110.25,14.5 -109.75,14.5 -109.25,14.5 -108.75,14.5 -108.25,14.5 -107.75,14.5 -107.25,14.5 -106.75,14.5 -106.25,14.5 -105.75,14.5 -105.25,14.5 -104.75,14.5 -104.25,14.5 -103.75,14.5 -103.25,14.5 -102.75,14.5 -102.25,14.5 -101.75,14.5 -101.25,14.5